# KiCad board Jumperless2.kicad_pcb (continued)
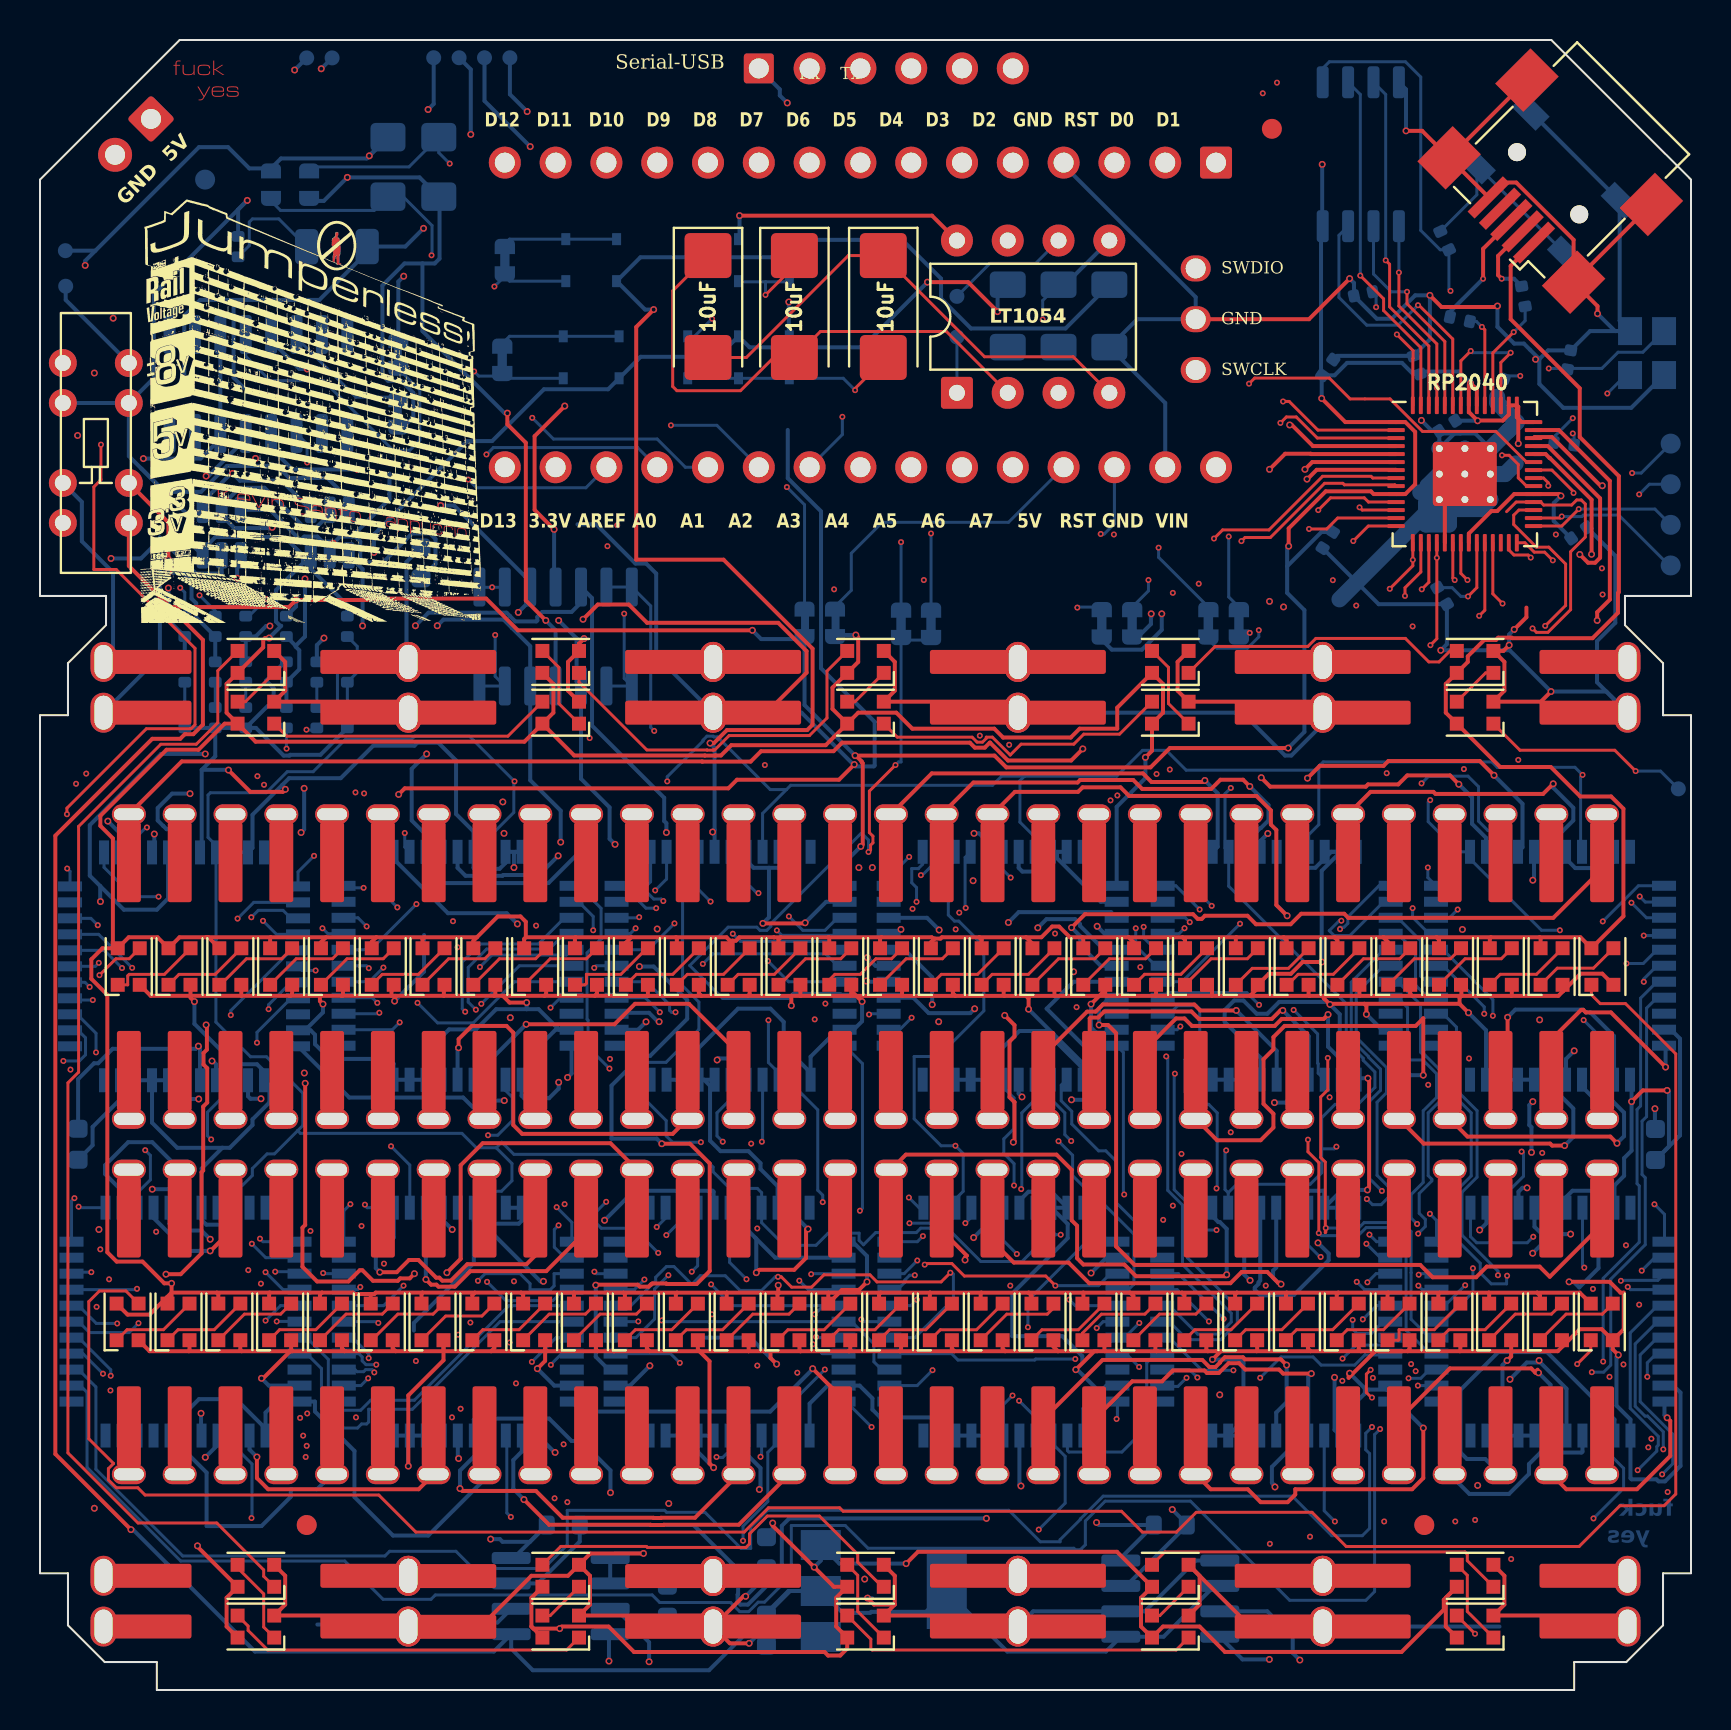
[diagram p0: board, top side]
## Footprints (pads in the part's own frame, mm; a bottom-side part is the same pattern mirrored in y, then rotated) (continued)
C_0402_1005Metric
  rrect 0.56x0.62 smd: 1(-0.48,0) 2(0.48,0)
C_0603_1608Metric
  rrect 0.9x0.95 smd: 1(-0.775,0) 2(0.775,0)
C_1206_3216Metric_Pad1.33x1.80mm_HandSolder
  rrect 1.325x1.8 smd: 1(-1.562,0) 2(1.562,0)
CP_EIA-6032-20_AVX-F_Pad2.25x2.35mm_HandSolder
  rrect 2.25x2.35 smd: 1(-2.55,0) 2(2.55,0)
Crystal_SMD_3225-4Pin_3.2x2.5mm
  rect 1.4x1.2 smd: 1(-1.1,-0.85) 2(1.1,-0.85) 3(1.1,0.85) 4(-1.1,0.85)
D_SOD-323
  rect 0.6x0.45 smd: 1(-1.05,0) 2(1.05,0)
DIP-8_W7.62mm
  rrect 1.6x1.6 hole 0.8: 1(0,0)
  oval 1.6x1.6 hole 0.8: 2(0,-2.54) 3(0,-5.08) 4(0,-7.62) 5(7.62,-7.62) 6(7.62,-5.08) 7(7.62,-2.54) 8(7.62,0)
Fiducial_1mm_Mask2mm
  round 1 smd: (0,0)
Fuse_1206_3216Metric_Pad1.42x1.75mm_HandSolder
  rrect 1.425x1.75 smd: 1(-1.488,0) 2(1.488,0)
LED_1206_REVERSEMOUNT_OVAL
  rrect 1.168x1.772 smd: 1(-1.549,0.028) 2(1.473,0.017)
LED_WS2812B-2020_PLCC4_2.0x2.0mm
  rect 0.7x0.7 smd: 1(-0.915,0.55) 2(-0.915,-0.55) 3(0.915,-0.55) 4(0.915,0.55)
LQFP44_Tight
  rect 1.2x0.5 smd: 1(-6.106,3.599) 2(-6.106,2.799) 3(-6.106,1.999) 4(-6.106,1.199) 5(-6.106,0.399) 6(-6.106,-0.401) 7(-6.106,-1.201) 8(-6.106,-2.001) 9(-6.106,-2.801) 10(-6.106,-3.601) 11(-6.106,-4.401) 23(5.294,-4.401) 24(5.294,-3.601) 25(5.294,-2.801) 26(5.294,-2.001) 27(5.294,-1.201) 28(5.294,-0.401) 29(5.294,0.399) 30(5.294,1.199) 31(5.294,1.999) 32(5.294,2.799) 33(5.294,3.599)
  rect 0.5x1.2 smd: 12(-4.406,-6.101) 13(-3.606,-6.101) 14(-2.806,-6.101) 15(-2.006,-6.101) 16(-1.206,-6.101) 17(-0.406,-6.101) 18(0.394,-6.101) 19(1.194,-6.101) 20(1.994,-6.101) 21(2.794,-6.101) 22(3.594,-6.101) 34(3.594,5.299) 35(2.794,5.299) 36(1.994,5.299) 37(1.194,5.299) 38(0.394,5.299) 39(-0.406,5.299) 40(-1.206,5.299) 41(-2.006,5.299) 42(-2.806,5.299) 43(-3.606,5.299) 44(-4.406,5.299)
PinHeader_1x02_P2.54mm_Vertical
  rrect 1.7x1.7 hole 1: 1(0,0)
  oval 1.7x1.7 hole 1: 2(0,-2.54)
PinHeader_1x03_P2.54mm_Vertical
  oval 1.5x1.3 hole 1: 1(0,0) 2(0,-2.54) 3(0,-5.08)
PinHeader_1x06_P2.54mm_Vertical
  rrect 1.5x1.5 hole 1: 1(0,0)
  oval 1.6x1.6 hole 1: 2(0,-2.54) 3(0,-5.08) 4(0,-7.62) 5(0,-10.16) 6(0,-12.7)
R_0402_1005Metric
  rrect 0.54x0.64 smd: 1(-0.51,0) 2(0.51,0)
R_0603_1608Metric
  rrect 0.8x0.95 smd: 1(-0.825,0) 2(0.825,0)
RP2040-QFN-56
  rrect 1.084x1.084 smd: (-0.637,0.637) (-0.637,-0.637) (0.637,0.637) (0.637,-0.637)
  rrect 0.875x0.2 smd: 1(-3.438,2.6) 2(-3.438,2.2) 3(-3.438,1.8) 4(-3.438,1.4) 5(-3.438,1) 6(-3.438,0.6) 7(-3.438,0.2) 8(-3.438,-0.2) 9(-3.438,-0.6) 10(-3.438,-1) 11(-3.438,-1.4) 12(-3.438,-1.8) 13(-3.438,-2.2) 14(-3.438,-2.6) 29(3.438,-2.6) 30(3.438,-2.2) 31(3.438,-1.8) 32(3.438,-1.4) 33(3.438,-1) 34(3.438,-0.6) 35(3.438,-0.2) 36(3.438,0.2) 37(3.438,0.6) 38(3.438,1) 39(3.438,1.4) 40(3.438,1.8) 41(3.438,2.2) 42(3.438,2.6)
  rrect 0.2x0.875 smd: 15(-2.6,-3.438) 16(-2.2,-3.438) 17(-1.8,-3.438) 18(-1.4,-3.438) 19(-1,-3.438) 20(-0.6,-3.438) 21(-0.2,-3.438) 22(0.2,-3.438) 23(0.6,-3.438) 24(1,-3.438) 25(1.4,-3.438) 26(1.8,-3.438) 27(2.2,-3.438) 28(2.6,-3.438) 43(2.6,3.438) 44(2.2,3.438) 45(1.8,3.438) 46(1.4,3.438) 47(1,3.438) 48(0.6,3.438) 49(0.2,3.438) 50(-0.2,3.438) 51(-0.6,3.438) 52(-1,3.438) 53(-1.4,3.438) 54(-1.8,3.438) 55(-2.2,3.438) 56(-2.6,3.438)
  round 0.6 hole 0.35: 57(-1.275,1.275) 57(-1.275,0) 57(-1.275,-1.275) 57(0,1.275) 57(0,0) 57(0,-1.275) 57(1.275,1.275) 57(1.275,0) 57(1.275,-1.275)
  rrect 3.2x3.2 smd: 57(0,0)
Slide_Switch_SSSS223600
  round 1.4 hole 0.8: 1(-1.65,0) 2(-1.65,-2) 3(-1.65,-6) 4(-1.65,-8) 5(1.65,0) 6(1.65,-2) 7(1.65,-6) 8(1.65,-8)
SOIC-8_3.9x4.9mm_P1.27mm
  rrect 1.95x0.6 smd: 1(-2.475,1.905) 2(-2.475,0.635) 3(-2.475,-0.635) 4(-2.475,-1.905) 5(2.475,-1.905) 6(2.475,-0.635) 7(2.475,0.635) 8(2.475,1.905)
SOIC-8_5.23x5.23mm_P1.27mm
  rrect 1.6x0.6 smd: 1(-3.6,1.905) 2(-3.6,0.635) 3(-3.6,-0.635) 4(-3.6,-1.905) 5(3.6,-1.905) 6(3.6,-0.635) 7(3.6,0.635) 8(3.6,1.905)
SOIC-14_3.9x8.7mm_P1.27mm
  rrect 1.95x0.6 smd: 1(-2.475,3.81) 2(-2.475,2.54) 3(-2.475,1.27) 4(-2.475,0) 5(-2.475,-1.27) 6(-2.475,-2.54) 7(-2.475,-3.81) 8(2.475,-3.81) 9(2.475,-2.54) 10(2.475,-1.27) 11(2.475,0) 12(2.475,1.27) 13(2.475,2.54) 14(2.475,3.81)
SOIC-16_3.9x9.9mm_P1.27mm
  rrect 1.95x0.6 smd: 1(-2.475,4.445) 2(-2.475,3.175) 3(-2.475,1.905) 4(-2.475,0.635) 5(-2.475,-0.635) 6(-2.475,-1.905) 7(-2.475,-3.175) 8(-2.475,-4.445) 9(2.475,-4.445) 10(2.475,-3.175) 11(2.475,-1.905) 12(2.475,-0.635) 13(2.475,0.635) 14(2.475,1.905) 15(2.475,3.175) 16(2.475,4.445)
SolderJumper_2_Bridged_Small
  custom 0.762x1.016 smd: 1(-0.813,0) 2(0.813,0)
SolderJumper_2_Bridged_Small#2
  custom 0.75x1 smd: 1(-0.813,-0.045) 2(0.813,-0.045)
SolderJumper_2_Open_Small
  custom 0.75x1 smd: 1(-0.813,-0.007) 2(0.813,-0.007)
SOT-23-6
  rrect 1.325x0.6 smd: 1(-1.137,0.95) 2(-1.137,0) 3(-1.137,-0.95) 4(1.137,-0.95) 5(1.137,0) 6(1.137,0.95)
SOT-223-3_TabPin2
  rect 2x1.5 smd: 1(-3.15,2.3) 2(-3.15,0) 3(-3.15,-2.3)
  rect 2x3.8 smd: 2(3.15,0)
SW_SPST_TL3342
  rect 1.7x1 smd: 1(-3.15,1.9) 1(3.15,1.9) 2(-3.15,-1.9) 2(3.15,-1.9)
TestPoint_D0.75mm
  round 0.75 smd: 1(0,0)
TestPoint_Pad_D1.0mm
  round 1 smd: 1(0,0)
USB_Mini-B_Wuerth_65100516121_Horizontal
  round 0.9 hole 0.9 unplated: (-2.2,0) (2.2,0)
  rect 0.5x2.5 smd: 1(-1.6,2.6) 2(-0.8,2.6) 3(0,2.6) 4(0.8,2.6) 5(1.6,2.6)
  rect 2x2.5 smd: 6(-4.4,2.6) 6(-4.4,-2.9) 6(4.4,2.6) 6(4.4,-2.9)

## Nets
+1V1: C9.1 C11.1 U9.23 U9.45 U9.50
+3V3: C8.1 C12.1 C18.1 C19.1 C20.1 C21.1 I1.1 J3.3 JP1.1 R14.1 SW2.4 SW2.8 U2.2 U4.5 U6.2 U6.5 U8.8 U9.1 U9.10 U9.22 U9.33 U9.42 U9.43 U9.44 U9.48 U9.49
+5V: C7.1 D1.4 D2.4 D3.4 D4.4 D5.4 D6.4 D7.4 D8.4 D9.4 D10.4 D11.4 D12.4 D13.4 D14.4 D15.4 D16.4 D17.4 D18.4 D19.4 D20.4 D21.4 D22.4 D23.4 D24.4 D25.4 D26.4 D27.4 D28.4 D29.4 D30.4 D31.4 D32.4 D33.4 D34.4 D35.4 D36.4 D37.4 D38.4 D39.4 D40.4 D41.4 D42.4 D43.4 D44.4 D45.4 D46.4 D47.4 D48.4 D49.4 D50.4 D51.4 D52.4 D53.4 D54.4 D55.4 D56.4 D57.4 D58.4 D59.4 D60.4 D62.2 D71.4 D72.4 D73.4 D74.4 D75.4 D76.4 D77.4 D78.4 D79.4 D80.4 D81.4 D82.4 D83.4 D84.4 D85.4 D86.4 D87.4 D88.4 D89.4 D90.4 J2.1 J5.1 J6.1 JP2.1 L1.1 R13.2 R24.2 SW2.2 SW2.6 U1.8 U2.3 U3.3 U5.3 U5.6
+8V: F1.2 JP5.2 JP11.1 SW2.1 TP14.1 U7.4
+9V: A2.38 B1.38 C1.1 C16.1 C26.38 D61.1 D63.2 D70.38 E1.38 F5.38 G1.38 H1.38 I1.38 J6.38 K1.38 L1.38
-8V: F4.1 JP6.1 JP12.2 SW2.5 TP13.1 U7.11
-9V: A2.16 B1.16 C6.2 C25.2 C26.16 D66.1 D67.2 D70.16 E1.16 F5.16 G1.16 H1.16 I1.16 J6.16 K1.16 L1.16
GND: A1.4 A1.29 A2.10 A2.12 A2.18 A2.19 A2.20 A2.21 A2.40 A2.42 A2.43 B1.10 B1.12 B1.18 B1.19 B1.20 B1.21 B1.40 B1.42 B1.43 C1.2 C4.1 C6.1 C7.2 C8.2 C9.2 C11.2 C12.2 C13.2 C14.2 C16.2 C18.2 C19.2 C20.2 C21.2 C22.1 C23.1 C25.1 C26.10 C26.12 C26.18 C26.19 C26.20 C26.21 C26.40 C26.42 C26.43 D1.2 D2.2 D3.2 D4.2 D5.2 D6.2 D7.2 D8.2 D9.2 D10.2 D11.2 D12.2 D13.2 D14.2 D15.2 D16.2 D17.2 D18.2 D19.2 D20.2 D21.2 D22.2 D23.2 D24.2 D25.2 D26.2 D27.2 D28.2 D29.2 D30.2 D31.2 D32.2 D33.2 D34.2 D35.2 D36.2 D37.2 D38.2 D39.2 D40.2 D41.2 D42.2 D43.2 D44.2 D45.2 D46.2 D47.2 D48.2 D49.2 D50.2 D51.2 D52.2 D53.2 D54.2 D55.2 D56.2 D57.2 D58.2 D59.2 D60.2 D68.1 D70.10 D70.12 D70.18 D70.19 D70.20 D70.21 D70.40 D70.42 D70.43 D71.2 D72.2 D73.2 D74.2 D75.2 D76.2 D77.2 D78.2 D79.2 D80.2 D81.2 D82.2 D83.2 D84.2 D85.2 D86.2 D87.2 D88.2 D89.2 D90.2 D91.1 E1.10 E1.12 E1.18 E1.19 E1.20 E1.21 E1.40 E1.42 E1.43 F5.10 F5.12 F5.18 F5.19 F5.20 F5.21 F5.40 F5.42 F5.43 G1.10 G1.12 G1.18 G1.19 G1.20 G1.21 G1.40 G1.42 G1.43 H1.10 H1.12 H1.18 H1.19 H1.20 H1.21 H1.40 H1.42 H1.43 I1.2 I1.10 I1.12 I1.18 I1.19 I1.20 I1.21 I1.40 I1.42 I1.43 J1.2 J2.2 J3.1 J4.0 J4.32 J5.5 J5.6 J6.2 J6.10 J6.12 J6.18 J6.19 J6.20 J6.21 J6.40 J6.42 J6.43 K1.10 K1.12 K1.18 K1.19 K1.20 K1.21 K1.40 K1.42 K1.43 L1.2 L1.10 L1.12 L1.18 L1.19 L1.20 L1.21 L1.40 L1.42 L1.43 R18.1 R19.2 R21.2 R22.2 R23.2 SW1.1 U1.3 U2.1 U3.2 U3.6 U4.1 U4.2 U4.6 U5.2 U6.1 U6.6 U8.4 U9.19 U9.57 Y1.2 Y1.4
VIN: A1.30
1: J4.1 L1.5
2: A2.35 J4.2
3: A2.37 J4.3
4: A2.39 J4.4
5: A2.17 J4.5
6: A2.15 J4.6
7: A2.13 J4.7
8: A2.11 J4.8
9: B1.35 J4.9
10: B1.37 J4.10
11: B1.39 J4.11
12: B1.17 J4.12
13: B1.15 J4.13
14: B1.13 J4.14
15: B1.11 J4.15
16: C26.35 J4.16
17: C26.37 J4.17
18: C26.39 J4.18
19: C26.17 J4.19
20: C26.15 J4.20
21: C26.13 J4.21
22: C26.11 J4.22
23: D70.35 J4.23
24: D70.37 J4.24
25: D70.39 J4.25
26: D70.17 J4.26
27: D70.15 J4.27
28: D70.13 J4.28
29: D70.11 J4.29
30: J4.30 L1.6
32: J4.33 L1.7
33: E1.35 J4.34
34: E1.37 J4.35
35: E1.39 J4.36
36: E1.17 J4.37
37: E1.15 J4.38
38: E1.13 J4.39
39: E1.11 J4.40
40: F5.35 J4.41
41: F5.37 J4.42
42: F5.39 J4.43
43: F5.17 J4.44
44: F5.15 J4.45
45: F5.13 J4.46
46: F5.11 J4.47
47: G1.35 J4.48
48: G1.37 J4.49
49: G1.39 J4.50
50: G1.17 J4.51
51: G1.15 J4.52
52: G1.13 J4.53
53: G1.11 J4.54
54: H1.35 J4.55
55: H1.37 J4.56
56: H1.39 J4.57
57: H1.17 J4.58
58: H1.15 J4.59
59: H1.13 J4.60
60: H1.11 J4.61
61: J4.62 L1.8
/AB0: A2.29 B1.31
/AB1: A2.28 B1.30
/AC0: A2.27 C26.31
/AC1: A2.26 C26.30
/AD0: A2.3 D70.31
/AD1: A2.4 D70.30
/AE0: A2.5 E1.31
/AF0: A2.7 F5.31
/AF1: A2.8 F5.30
/AG0: A2.25 G1.31
/AG1: A2.24 G1.30
/AH0: A2.1 H1.31
/AH1: A2.2 H1.30
/BC0: B1.27 C26.29
/BC1: B1.26 C26.28
/BD0: B1.3 D70.29
/BD1: B1.4 D70.28
/BE0: B1.5 E1.29
/BE1: B1.6 E1.28
/BF0: B1.7 F5.29
/BG0: B1.25 G1.29
/BG1: B1.24 G1.28
/BH0: B1.1 H1.29
/BH1: B1.2 H1.28
/CD0: C26.3 D70.27
/CD1: C26.4 D70.26
/CE0: C26.5 E1.27
/CE1: C26.6 E1.26
/CF0: C26.7 F5.27
/CF1: C26.8 F5.26
/CG0: C26.25 G1.27
/CH0: C26.1 H1.27
/CH1: C26.2 H1.26
/DE0: D70.5 E1.3
/DE1: D70.6 E1.4
/DF0: D70.7 F5.3
/DF1: D70.8 F5.4
/DG0: D70.25 G1.3
/DG1: D70.24 G1.4
/DH0: D70.1 H1.3
/EF0: E1.7 F5.5
/EF1: E1.8 F5.6
/EG0: E1.25 G1.5
/EG1: E1.24 G1.6
/EH0: E1.1 H1.5
/EH1: E1.2 H1.6
/FG0: F5.25 G1.7
/FG1: F5.24 G1.8
/FH0: F5.1 H1.7
/FH1: F5.2 H1.8
/GH0: G1.1 H1.25
/GH1: G1.2 H1.24
/QSPI_SCLK: U8.6 U9.52
/QSPI_SD0: U8.5 U9.53
/QSPI_SD1: U8.2 U9.55
/QSPI_SD2: U8.3 U9.54
/QSPI_SD3: U8.7 U9.51
/QSPI_SS: R5.1 U8.1 U9.56
/RUN: U9.26
/SWCLK: J1.1 U9.24
/SWD: J1.3 U9.25
/USB_D+: J5.3 R2.1
/USB_D-: J5.2 R3.1
/XIN: C13.1 U9.20 Y1.1
/XOUT: R12.1 U9.21
/~{USB_BOOT}: R5.2 SW1.2
A0: A1.19 I1.31 K1.31
A1: A1.20 J6.30 K1.30
A2: A1.21 I1.29 K1.29
A3: A1.22 J6.28 K1.28
A4: A1.23 I1.27 L1.25
A5: A1.24 J6.26 L1.24
A6: A1.25 I1.3
A7: A1.26 J6.4
ADC_BUFFERED_5V_0: R6.2 R7.1 U9.38
ADC_BUFFERED_5V_1: R8.2 R9.1 U9.39
ADC_BUFFERED_5V_2: R10.2 R11.1 U9.40
ADC_BUFFERED_+-8V_3: R14.2 R17.2 R19.1 U9.41
ADC_UNBUFFERED_5V_0: I1.24 L1.29 TP9.1 U7.3
ADC_UNBUFFERED_5V_1: J6.24 L1.28 TP10.1 U7.10
ADC_UNBUFFERED_5V_2: K1.2 L1.27 TP11.1 U7.12
ADC_UNBUFFERED_+-8V_3: L1.26 TP12.1 U7.5
AI: A2.31 I1.33
AJ: A2.30 J6.33
AK: A2.6 K1.33
AL: A2.33 L1.33
AREF: A1.18 J6.8
BI: B1.29 I1.35
BJ: B1.28 J6.35
BK: B1.8 K1.35
BL: B1.33 L1.35
BOTTOM_RAIL: C22.2 J4.63 SW2.7
CI: C26.27 I1.37
CJ: C26.26 J6.37
CK: C26.24 K1.37
CL: C26.33 L1.37
CLK: A2.34 B1.34 C26.34 D70.34 E1.34 F5.34 G1.34 H1.34 I1.34 J6.34 K1.34 L1.34 U9.18
CS_A: A2.14 U9.8
CS_B: B1.14 U9.9
CS_C: C26.14 U9.11
CS_D: D70.14 U9.12
CS_E: E1.14 U9.13
CS_F: F5.14 U9.14
CS_G: G1.14 U9.15
CS_H: H1.14 U9.16
CS_I: I1.14 U9.31
CS_J: J6.14 U9.32
CS_K: K1.14 U9.34
CS_L: L1.14 U9.35
CTS_UNCONNECTED: J3.2
CURR_SENSE+: L1.30 R1.1 U4.8
CURR_SENSE-: L1.31 R1.2 U4.7
CURR_SENSE_DAC+: R4.1 TP7.1 U6.8 U10.3 U10.14
CURR_SENSE_DAC-: I1.25 L1.4 R4.2 U6.7
D0: A1.2 J6.31 JP3.2
D1: A1.1 I1.30 JP7.2
D2: A1.5 J6.29 K1.27
D3: A1.6 I1.28 K1.26
D4: A1.7 J6.27 JP9.2 K1.3
D5: A1.8 I1.26 JP10.2 K1.4
D6: A1.9 J6.3 K1.5
D7: A1.10 I1.4 K1.6
D8: A1.11 J6.5 K1.7
D9: A1.12 I1.6 K1.8
D10: A1.13 J6.6 K1.25
D11: A1.14 I1.5 K1.24
D12: A1.15 J6.7 K1.1
D13: A1.16 I1.7
DAC_0_OUT: U3.1 U10.13
DAC_1_OUT: U5.1 U10.12
DAC_+-8V: J6.25 L1.3 R16.2 TP8.1 U10.5
DATA: A2.36 B1.36 C26.36 D70.36 E1.36 F5.36 G1.36 H1.36 I1.36 J6.36 K1.36 L1.36 U9.17
DI: D70.3 I1.39
DJ: D70.4 J6.39
DK: D70.2 K1.39
DL: D70.33 L1.39
DTR_UNCONNECTED: J3.6
EI: E1.5 I1.17
EJ: E1.6 J6.17
EK: E1.30 K1.17
EL: E1.33 L1.17
FI: F5.7 I1.15
FJ: F5.8 J6.15
FK: F5.28 K1.15
FL: F5.33 L1.15
GI: G1.25 I1.13
GJ: G1.24 J6.13
GK: G1.26 K1.13
GL: G1.33 L1.13
GPIO_16: TP1.1 U9.27
GPIO_17: TP2.1 U9.28
GPIO_18: TP3.1 U9.29
GPIO_19: TP4.1 U9.30
HI: H1.1 I1.11
HJ: H1.2 J6.11
HK: H1.4 K1.11
HL: H1.33 L1.11
I2C_SCL: U3.5 U4.4 U5.5 U6.4 U9.7
I2C_SCL_NANO: JP10.1 U9.4
I2C_SDA: U3.4 U4.3 U5.4 U6.3 U9.6
I2C_SDA_NANO: JP9.1 U9.5
LED_DATA_OUT: D1.3 U9.37
NANO_3V3: A1.17 JP1.2
NANO_5V: A1.27 JP2.2
NANO_~{RESET}: I1.8 JP13.1 JP14.1
NANO_~{RESET}_0: A1.28 JP13.2
NANO_~{RESET}_1: A1.3 JP14.2
RESET: A2.41 B1.41 C26.41 D70.41 E1.41 F5.41 G1.41 H1.41 I1.41 J6.41 K1.41 L1.41 U9.36
TOP_RAIL: C23.2 J4.31 SW2.3
UART_Rx: J3.5 JP3.1 U9.3
UART_Tx: J3.4 JP7.1 U9.2
Net-(C14-Pad1): C14.1 R12.2 Y1.3
Net-(D1-DOUT): D1.1 D2.3
Net-(D2-DOUT): D2.1 D3.3
Net-(D3-DOUT): D3.1 D4.3
Net-(D4-DOUT): D4.1 D5.3
Net-(D5-DOUT): D5.1 D6.3
Net-(D6-DOUT): D6.1 D7.3
Net-(D7-DOUT): D7.1 D8.3
Net-(D8-DOUT): D8.1 D9.3
Net-(D10-DIN): D9.1 D10.3
Net-(D10-DOUT): D10.1 D11.3
Net-(D11-DOUT): D11.1 D12.3
Net-(D12-DOUT): D12.1 D13.3
Net-(D13-DOUT): D13.1 D14.3
Net-(D14-DOUT): D14.1 D15.3
Net-(D15-DOUT): D15.1 D16.3
Net-(D16-DOUT): D16.1 D17.3
Net-(D17-DOUT): D17.1 D18.3
Net-(D18-DOUT): D18.1 D19.3
Net-(D19-DOUT): D19.1 D20.3
Net-(D20-DOUT): D20.1 D21.3
Net-(D21-DOUT): D21.1 D22.3
Net-(D22-DOUT): D22.1 D23.3
Net-(D23-DOUT): D23.1 D24.3
Net-(D24-DOUT): D24.1 D25.3
Net-(D25-DOUT): D25.1 D26.3
Net-(D26-DOUT): D26.1 D27.3
Net-(D27-DOUT): D27.1 D28.3
Net-(D28-DOUT): D28.1 D29.3
Net-(D29-DOUT): D29.1 D30.3
Net-(D30-DOUT): D30.1 D31.3
Net-(D31-DOUT): D31.1 D32.3
Net-(D32-DOUT): D32.1 D33.3
Net-(D33-DOUT): D33.1 D34.3
Net-(D34-DOUT): D34.1 D35.3
Net-(D35-DOUT): D35.1 D36.3
Net-(D36-DOUT): D36.1 D37.3
Net-(D37-DOUT): D37.1 D38.3
Net-(D38-DOUT): D38.1 D39.3
Net-(D39-DOUT): D39.1 D40.3
Net-(D40-DOUT): D40.1 D41.3
Net-(D41-DOUT): D41.1 D42.3
Net-(D42-DOUT): D42.1 D43.3
Net-(D43-DOUT): D43.1 D44.3
Net-(D44-DOUT): D44.1 D45.3
Net-(D45-DOUT): D45.1 D46.3
Net-(D46-DOUT): D46.1 D47.3
Net-(D47-DOUT): D47.1 D48.3
Net-(D48-DOUT): D48.1 D49.3
Net-(D49-DOUT): D49.1 D50.3
Net-(D50-DOUT): D50.1 D51.3
Net-(D51-DOUT): D51.1 D52.3
Net-(D52-DOUT): D52.1 D53.3
Net-(D53-DOUT): D53.1 D54.3
Net-(D54-DOUT): D54.1 D55.3
Net-(D55-DOUT): D55.1 D56.3
Net-(D56-DOUT): D56.1 D57.3
Net-(D57-DOUT): D57.1 D58.3
Net-(D58-DOUT): D58.1 D59.3
Net-(D59-DOUT): D59.1 D60.3
Net-(D60-DOUT): D60.1 D71.3
Net-(D61-A): C2.1 D61.2 D62.1
Net-(D63-K): D63.1 D64.2 JP4.1
Net-(D64-K): D64.1 F1.1 JP4.2 JP5.1
Net-(D65-A): C5.2 D65.2 D67.1 D68.2
Net-(D65-K): C4.2 D65.1 U1.5
Net-(D66-A): D66.2 D69.1 JP8.2
Net-(D69-A): D69.2 F4.2 JP6.2 JP8.1
Net-(D71-DOUT): D71.1 D72.3
Net-(D72-DOUT): D72.1 D73.3
Net-(D73-DOUT): D73.1 D74.3
Net-(D74-DOUT): D74.1 D75.3
Net-(D75-DOUT): D75.1 D76.3
Net-(D76-DOUT): D76.1 D77.3
Net-(D77-DOUT): D77.1 D78.3
Net-(D78-DOUT): D78.1 D79.3
Net-(D79-DOUT): D79.1 D80.3
Net-(D80-DOUT): D80.1 D81.3
Net-(D81-DOUT): D81.1 D82.3
Net-(D82-DOUT): D82.1 D83.3
Net-(D83-DOUT): D83.1 D84.3
Net-(D84-DOUT): D84.1 D85.3
Net-(D85-DOUT): D85.1 D86.3
Net-(D86-DOUT): D86.1 D87.3
Net-(D87-DOUT): D87.1 D88.3
Net-(D88-DOUT): D88.1 D89.3
Net-(D89-DOUT): D89.1 D90.3
Net-(D90-DOUT): D90.1 TP15.1
Net-(D91-A): D91.2 R24.1
Net-(JP11-B): JP11.2 U10.4
Net-(JP12-A): JP12.1 U10.6
Net-(R11-Pad2): R11.2 R23.1
Net-(R13-Pad1): R13.1 R15.1 R18.2
Net-(R16-Pad1): R16.1 R20.2
Net-(R21-Pad1): R7.2 R21.1
Net-(R22-Pad1): R9.2 R22.1
Net-(U1-CAP+): C2.2 C3.1 U1.2
Net-(U1-CAP-): C3.2 C5.1 U1.4
Net-(U1-FB/SHDN): TP5.1 U1.1
Net-(U1-VREF): TP6.1 U1.6
Net-(U7A--): R6.1 U7.1 U7.2
Net-(U7B--): R17.1 U7.6 U7.7
Net-(U7C--): R8.1 U7.8 U7.9
Net-(U7D--): R10.1 U7.13 U7.14
Net-(U9-USB_DM): R3.2 U9.46
Net-(U9-USB_DP): R2.2 U9.47
Net-(U10B--): R15.2 R20.1 U10.11

Pads without a net: A2 9 22 23 32 44; B1 9 22 23 32 44; C26 9 22 23 32 44; D70 9 22 23 32 44; E1 9 22 23 32 44; F5 9 22 23 32 44; G1 9 22 23 32 44; H1 9 22 23 32 44; I1 9 22 23 32 44; J5 4; J6 9 22 23 32 44; K1 9 22 23 32 44; L1 9 22 23 32 44; U1 7; U10 1 2 7 8 9 10 15 16

## Via types
v1: diameter 0.3, hole 0.15, Top to Bottom, 442 vias
v2: diameter 0.35, hole 0.2, Top to Bottom, 278 vias

## Routing (per net, layer and track width the routed paths; a pad name or vN(x,y) marks a point on that pad's centre or on a via; arc(x,y) is an arc through that point)
+1V1: length 32.2
  Top w0.15: U9.23 71.84,55.15 v1(71.4,54.71) ; v1(71.54,66.99) 71.04,66.5 U9.50 ; v1(73.53,66.9) 73.04,66.41 U9.45
  In1.Cu w0.15: v1(71.54,66.99) 67.83,66.99 66.81,68.02 v1(66.81,69.18)
  In2.Cu w0.15: v1(71.54,66.99) 71.04,66.5 71.04,63.05 71.78,62.31 71.78,55.09 v1(71.4,54.71)
  Bottom w0.15: v1(71.4,54.71) 71.04,54.71 70.6,55.15 C11.1 ; v1(73.53,66.9) 71.62,66.9 v1(71.54,66.99) ; 66.81,69.78 v1(66.81,69.18)
+3V3: length 294.4
  Top w0.2: U9.43 73.91,64.2 v2(73.91,62.36) ; U9.43 U9.44 73.44,63.81 73.14,63.51 71.89,63.51 v2(71.88,63.5) 71.44,63.94 ; U9.43 73.84,63.67 74.08,63.43 U9.42 ; v2(35.62,53.02) 23.89,53.02 22.31,54.6 16.42,54.6 16.35,54.53 v2(12.8,54.53) 12.83,54.53 12.83,54.56 12.45,54.18 6.5,54.18 ; SW2.8 4.44,56.24 6.5,54.18 ; U9.22 71.44,57.86 72.57,58.98 72.86,58.98 73.71,59.83 U9.33 75.96,59.83 v2(76.05,59.74) ; v2(41.04,42.2) 41.14,42.3 41.14,46.37 41.09,46.42 41.09,46.46 40.87,46.68 40.83,46.68 v2(40.75,46.75) 47.73,46.75 48.32,46.16 55.53,46.16 56.49,47.12 v2(62.41,47.12) ; 6.5,54.18 8.15,52.53 8.15,48.3 7.66,47.82 7.24,47.82 7.01,47.59 5.62,47.59 0.77,42.74 0.77,11.81 v2(4.55,8.03) ; v2(62.43,57.23) 62.43,58.12 64.29,59.97 66.55,59.97 66.68,59.83 U9.10 68.27,59.83 68.76,60.32 68.76,62.94 68.27,63.43 U9.1 65.27,63.43 v2(64.08,64.62) ; U9.48 71.84,65.06 v2(71.53,65.38) 71.44,65.3 U9.49
  In1.Cu w0.2: v2(64.11,76.33) 61.72,78.71 43.43,78.71 J3.3 ; SW2.8 SW2.4
  In2.Cu w0.2: v2(76.05,59.74) 76.05,60.22 v2(73.91,62.36)
  Bottom w0.2: v2(71.53,65.38) 70.94,65.96 69.12,65.96 ; v2(76.05,59.74) 75.69,59.38 75.69,58.49 C21.1 ; 62.36,56.22 62.36,57.15 v2(62.43,57.23) ; 62.36,56.22 64.08,57.94 C18.1 ; 62.36,56.22 62.36,54.89 63.22,54.03 63.22,47.94 v2(62.41,47.12) ; I1.1 40.23,41.39 v2(41.04,42.2) ; C19.1 68.65,65.84 68.1,66.4 65.35,66.4 64.73,65.77 C12.1 ; v2(40.75,46.75) 38.23,49.28 JP1.1 36.06,52.58 v2(35.62,53.02) ; v2(64.08,64.62) 64.08,65.74 ; R14.1 12.8,54.21 v2(12.8,54.53) ; U2.2 37.5,4.95 C8.1 ; U2.2 40.13,3.86 41.51,3.86 41.56,3.91 44.3,3.91 U2.2 48.37,1.92 53.3,1.92 U6.5 56.18,2.67 58.72,5.21 ; U2.2 37.42,4.95 33.45,0.99 24.64,0.99 23.56,2.07 U4.5 22.69,1.92 10.75,1.92 4.65,8.03 v2(4.55,8.03) ; v2(64.11,76.33) 64.11,73.26 ; C20.1 71.88,63.5 v2(71.88,63.5) ; 64.05,73.15 64.05,65.84
+5V: length 560.6
  Top w0.2: D82.4 9.23,48.34 7.92,47.04 6.32,47.04 3.02,43.73 3.02,43.23 3.65,42.61 3.65,37.35 D1.4 ; D82.4 10.78,47.45 24.22,47.45 D83.4 ; D82.4 9.33,48.89 9.33,50.33 D81.4 11.16,52.16 11.16,52.53 11.25,52.63 v2(11.46,52.63) ; 14.3,37.66 16.81,37.66 ; 14.3,37.66 14.05,37.41 D5.4 ; 14.3,37.66 11.53,37.66 ; 16.81,37.66 19.23,37.66 ; 16.81,37.66 16.59,37.43 D6.4 ; 59.82,37.66 62.18,37.66 ; 59.82,37.66 57.12,37.66 ; 59.82,37.66 59.79,37.63 D23.4 ; 62.18,37.66 62.33,37.51 D24.4 ; 62.18,37.66 64.72,37.66 ; 52.12,37.66 52.16,37.62 D20.4 ; 52.12,37.66 54.43,37.66 ; 52.12,37.66 51.49,37.66 50.96,38.19 50.61,38.19 50.07,37.66 49.3,37.66 ; 64.92,19.88 62.33,19.88 ; 64.92,19.88 64.84,19.8 D55.4 ; 64.92,19.88 67.41,19.88 ; 62.33,19.88 59.84,19.88 ; 62.33,19.88 62.3,19.85 D54.4 ; 26.77,37.66 29.57,37.66 ; 26.77,37.66 24.29,37.66 ; 26.77,37.66 26.75,37.63 D10.4 ; 29.57,37.66 29.3,37.39 D11.4 ; 29.57,37.66 31.8,37.66 ; v2(43.31,6.32) 43.9,6.91 53.85,6.91 D73.4 55.05,4.61 55.05,3.17 D74.4 56.15,3.17 57.98,3.17 59.25,1.91 68.08,1.91 70.19,4.02 70.19,4.51 70.84,5.16 70.29,4.61 70.29,3.17 70.84,2.62 ; 49.43,19.88 47.07,19.88 ; 49.43,19.88 52.17,19.88 ; 49.43,19.88 49.57,19.74 D49.4 ; 47.07,19.88 44.5,19.88 ; 47.07,19.88 47.03,19.85 D48.4 ; 72.44,19.88 72.46,19.86 D58.4 ; 72.44,19.88 69.98,19.88 ; 72.44,19.88 74.85,19.88 ; 52.17,19.88 52.17,19.38 D50.4 ; 52.17,19.88 54.51,19.88 ; 31.85,19.88 31.79,19.82 D42.4 ; 31.85,19.88 34.34,19.88 ; 31.85,19.88 29.18,19.88 ; 72.54,37.66 72.49,37.61 D28.4 ; 72.54,37.66 74.98,37.66 ; 72.54,37.66 69.82,37.66 ; 34.34,19.88 34.33,19.87 D43.4 ; 34.34,19.88 36.96,19.88 ; D36.4 16.54,19.79 16.51,19.81 ; 29.18,19.88 28.35,19.88 26.7,19.88 ; 29.18,19.88 29.24,19.82 D41.4 ; 37.03,37.66 39.45,37.66 ; 37.03,37.66 37.03,37.66 36.7,37.66 36.69,37.66 34.97,37.66 34.79,37.49 34.62,37.49 ; 37.03,37.66 36.92,37.55 D14.4 ; 39.45,37.66 42.06,37.66 ; 39.45,37.66 39.46,37.64 D15.4 ; D4.4 11.51,37.63 11.53,37.66 ; 74.85,19.88 76.99,19.88 D60.4 ; 74.85,19.88 75,19.74 D59.4 ; D26.4 67.41,37.41 67.16,37.66 ; 14.1,19.88 14,19.78 D35.4 ; 14.1,19.88 11.48,19.88 ; 14.1,19.88 15.65,19.88 15.72,19.81 16.51,19.81 ; D84.4 25.67,50.33 25.67,48.89 D83.4 ; 44.73,37.59 44.54,37.41 D17.4 ; 44.73,37.59 44.65,37.59 44.59,37.66 42.06,37.66 ; 44.73,37.59 45.03,37.59 45.09,37.66 46.96,37.66 ; 46.96,37.66 47.08,37.54 D18.4 ; 46.96,37.66 49.3,37.66 ; 69.98,19.88 69.92,19.82 D57.4 ; 69.98,19.88 67.41,19.88 ; D19.4 49.62,37.34 49.3,37.66 ; 21.74,19.88 19.13,19.88 ; 21.74,19.88 21.62,19.76 D38.4 ; 21.74,19.88 24.05,19.88 ; 19.13,19.88 19.08,19.83 D37.4 ; 19.13,19.88 16.78,19.88 16.71,19.81 16.51,19.81 ; 26.7,19.88 24.05,19.88 ; 26.7,19.88 26.7,19.88 D40.4 ; 24.05,19.88 24.16,19.78 D39.4 ; 6.19,19.49 5.48,18.78 4.38,18.78 D31.4 ; 6.19,19.49 6.34,19.64 ; 6.19,19.49 6.35,19.33 D32.4 ; 42.04,19.88 41.95,19.8 D46.4 ; 42.04,19.88 39.42,19.88 ; 42.04,19.88 44.5,19.88 ; U1.8 44.6,73.76 v2(34.98,73.76) ; D16.4 42,37.6 42.06,37.66 ; D44.4 36.87,19.8 36.96,19.88 ; 24.57,3.17 D78.4 ; 24.57,3.17 24.67,3.07 v2(25.98,3.07) 26.09,3.17 28.43,3.17 29.7,1.9 39.23,1.9 39.41,1.72 40.01,1.72 40.36,2.07 D75.4 39.81,3.17 39.81,4.61 D76.4 39.69,5.16 v2(38.71,6.15) 36.63,8.22 v2(36.63,8.35) ; 24.57,3.17 24.57,4.61 D77.4 ; D25.4 64.87,37.51 64.72,37.66 ; D1.4 3.12,37.11 2.57,36.55 2.57,35.58 3.37,34.78 3.37,21.9 3.83,21.44 5.13,21.44 6.22,20.35 v2(6.58,20.35) 6.58,19.53 D32.4 ; D1.4 4.44,37.66 5.88,37.66 D2.4 6.98,37.66 8.31,37.66 ; 54.43,37.66 54.7,37.39 D21.4 ; 54.43,37.66 57.12,37.66 ; 44.5,19.88 44.49,19.87 D47.4 ; 59.84,19.88 57.1,19.88 ; 59.84,19.88 59.76,19.8 D53.4 ; 57.1,19.88 54.51,19.88 ; 57.1,19.88 57.22,19.76 D52.4 ; 19.23,37.66 19.13,37.56 D7.4 ; 19.23,37.66 21.84,37.66 ; v2(40.79,52.78) 40.91,52.66 40.91,51.44 D85.4 39.62,50.15 39.62,49.08 D86.4 ; 36.96,19.88 39.42,19.88 ; 36.96,19.88 36.91,19.93 v2(36.91,20.25) ; 34.62,37.49 34.38,37.25 D13.4 ; 34.62,37.49 34.5,37.49 34.32,37.66 31.8,37.66 ; 11.53,37.66 8.31,37.66 ; 57.12,37.66 57.25,37.53 D22.4 ; D34.4 11.46,19.86 11.48,19.88 ; 8.31,37.66 8.42,37.66 D3.4 ; 8.84,19.88 8.92,19.8 D33.4 ; 8.84,19.88 6.58,19.88 6.34,19.64 ; 8.84,19.88 11.48,19.88 ; 21.84,37.66 21.67,37.48 D8.4 ; 21.84,37.66 22.89,38.7 24.02,38.7 24.29,38.43 24.29,37.66 ; 64.72,37.66 67.16,37.66 ; 67.16,37.66 69.82,37.66 ; D56.4 67.38,19.85 67.41,19.88 ; D32.4 6.38,19.61 6.34,19.64 ; D27.4 69.95,37.53 69.82,37.66 ; 54.51,19.88 54.67,19.72 D51.4 ; 39.42,19.88 39.41,19.87 D45.4 40.1,20.02 40.94,20.02 v2(41.35,20.42) ; D29.4 75.03,37.61 74.98,37.66 ; D86.4 39.28,47.27 34.56,47.27 34.05,46.76 33.77,46.76 33.76,46.75 33.24,46.75 33.23,46.76 26.71,46.76 D83.4 ; D86.4 40.91,48.89 42.82,48.89 43.62,48.09 47.71,48.09 48.16,47.65 51.54,47.65 51.98,48.09 53.86,48.09 53.86,49.15 D88.4 56.15,50.33 56.15,48.89 D87.4 55.6,46.99 v2(55.27,46.66) ; D79.4 9.33,3.17 9.33,4.62 D80.4 7.87,7.17 v2(7.87,7.21) ; 24.29,37.66 24.21,37.58 D9.4 ; 74.98,37.66 77.02,37.66 D30.4 79.17,38.71 79.17,44.09 78.56,44.7 77.01,44.7 75.54,46.18 73.01,46.18 70.29,48.89 70.29,50.33 71.39,51.44 71.39,51.71 72.21,52.53 72.8,52.53 72.91,52.65 73.59,52.65 73.61,52.62 77.63,52.62 78.9,53.89 78.9,54.88 78.94,54.93 78.94,60.73 76.99,62.69 76.99,65.13 73.53,68.58 73.53,71.25 J5.1 ; D12.4 31.84,37.62 31.8,37.66
  In1.Cu w0.2: v2(34.98,73.76) 20.78,73.76 17.07,77.47 13.31,77.47 v2(10.36,74.52) 9.09,74.52 5.55,78.07
  In2.Cu w0.2: v2(36.91,20.25) 36.42,19.75 36.42,8.57 v2(36.63,8.35) ; v2(7.87,7.21) 5.94,9.15 5.94,19.7 v2(6.58,20.35)
  Bottom w0.2: SW2.6 SW2.2 ; SW2.6 4.44,61.73 5.07,61.1 ; SW2.6 5.69,65.64 5.69,69.85 v2(10.36,74.52) 9.91,74.07 R24.2 ; v2(36.63,8.35) 36.63,7.96 C7.1 ; v2(38.71,6.15) 39.04,6.48 U2.3 39.97,6.32 v2(43.31,6.32) ; R13.2 15.37,54.27 13.15,56.49 13.15,56.64 ; 13.15,56.64 13.41,56.64 U5.3 11.8,55.03 11.8,53.45 12.01,53.24 12.06,53.24 11.46,52.64 v2(11.46,52.63) ; 13.15,56.64 13.15,56.77 12.23,57.68 8.77,57.68 8.13,57.05 ; U3.3 7.58,57.32 7.58,58.59 5.07,61.1 ; U5.6 15.44,59.57 14.37,60.64 12.47,60.64 11.86,61.24 9.35,61.24 8.05,59.94 6.23,59.94 5.07,61.1 ; v2(41.35,20.42) 41.35,21.71 40.63,22.43 J6.1 ; JP2.1 39.95,52.78 v2(40.79,52.78) ; v2(34.98,73.76) 34.98,72.64 ; L1.1 53.83,44.18 55.27,45.62 v2(55.27,46.66)
+8V: length 58.2
  Top w0.2: v2(25.7,58.06) 24.73,59.04 24.73,62.73 v2(26.24,64.24)
  In1.Cu w0.2: v2(16.46,76.75) 16.01,76.3 16.01,72.91 v2(18.19,70.73) 19.74,70.73 v2(26.24,64.24) ; SW2.1 2.26,67.51 v2(2.26,71.27)
  Bottom w0.2: v2(18.19,70.73) 17.92,70.46 JP11.1 ; v2(25.7,58.06) 25.7,55.26 ; 17.16,77.93 17.16,77.45 v2(16.46,76.75) ; 2.77,72.01 TP14.1 ; 2.77,72.01 2.26,71.5 v2(2.26,71.27) ; 2.77,72.01 7.95,77.19 9.4,77.19 10.47,76.12 JP5.2 12.05,76.62 16.34,76.62 F1.2
+9V: length 316.8
  Top w0.2: v2(33.5,47.37) 33.69,47.37 34.35,48.03 38.36,48.03 38.63,48.29 38.63,52.1 34.18,56.55 29.81,56.55 29.81,68.19 v2(30.68,69.06)
  In1.Cu w0.2: 61.54,42.98 47.55,42.98 ; 61.54,42.98 65.48,42.98 66.91,41.55 69.58,41.55 70.61,40.51 v2(74.64,40.51) ; 61.54,42.98 61.52,42.98 v2(61.39,42.85) ; 47.55,42.98 47.09,42.98 46.86,42.75 46.81,42.75 v2(46.7,42.86) ; 47.55,42.98 40.58,42.98 40.53,42.93 v2(33.63,42.93) ; 74.22,21.82 78.3,21.82 80.38,23.9 80.9,23.9 81.23,24.23 81.23,28.6 v2(80.75,29.08) 80.75,31.57 77.35,34.97 76.42,34.97 v2(74.98,33.53) ; 74.22,21.82 74.6,21.82 v2(74.63,21.85) ; 74.22,21.82 71.3,21.82 71.07,21.59 68.72,21.59 68.68,21.63 64.56,21.63 64.47,21.72 64.47,22.07 64.22,22.32 63.78,22.32 ; 63.78,22.32 63.48,22.32 63.44,22.36 58.09,22.36 57.71,22.73 56.03,22.73 55.45,23.32 55.35,23.32 55.35,23.32 53.39,23.32 53.39,23.32 46.81,23.32 46.27,22.77 ; 63.78,22.32 63.83,22.37 v2(63.9,22.37) ; 28.22,23.24 27.41,23.24 27.07,23.58 26.5,23.58 26.43,23.65 20.5,23.65 ; 28.22,23.24 28.23,23.25 v2(28.23,23.5) ; 28.22,23.24 29.82,23.24 30.14,23.56 40.21,23.56 40.82,22.96 43.83,22.96 44.09,23.22 45.85,23.22 46.27,22.8 46.27,22.77 ; 46.27,22.77 46.55,22.77 v2(46.68,22.63) ; 20.5,23.65 20.61,23.54 v2(20.61,23.04) ; 20.5,23.65 15.94,23.65 15.91,23.61 9.36,23.61 8.04,22.29 5.27,22.29 4.52,23.04 v2(2.95,23.04) ; v2(33.5,47.37) 33.19,47.06 19.56,47.06 v2(19.33,46.83) 19.25,46.75 12.18,46.75 12.15,46.78 8.33,46.78 8.28,46.83 v2(8.26,46.83)
  In2.Cu w0.2: v2(74.64,40.51) 74.64,33.87 v2(74.98,33.53) ; v2(2.95,23.04) 2.95,24.13 2.39,24.69 2.39,30.73 3.2,31.55 3.2,35.03 2.49,35.74 2.49,38.51 2.71,38.73 2.71,39.13 v2(3.02,39.45)
  Bottom w0.2: 33.73,43.03 33.63,42.93 v2(33.63,42.93) ; 33.73,43.03 I1.38 ; 33.73,43.03 33.73,47.14 v2(33.5,47.37) ; v2(63.9,22.37) 64.43,21.84 64.43,21.5 62.69,19.76 61.47,19.76 61.45,19.74 61.12,19.74 61.11,19.76 61,19.76 60.74,20.03 60.74,20.13 60.93,20.32 60.93,20.4 61.01,20.48 G1.38 ; C1.1 51.28,68.12 46.55,68.12 45.05,69.61 45.05,70.61 43.11,72.55 D61.1 36.59,71.68 30.02,71.68 D63.2 30.25,69.06 v2(30.68,69.06) ; F5.38 20.09,23.56 v2(20.61,23.04) ; v2(80.75,29.08) 80.75,28.09 ; B1.38 20.08,42.28 19.58,42.78 19.3,42.78 18.59,43.5 18.59,46.09 v2(19.33,46.83) ; v2(61.39,42.85) 61.03,42.49 C26.38 ; 3.01,40.22 3.01,39.46 v2(3.02,39.45) ; 3.01,40.22 2.49,40.74 2.49,43.27 6.05,46.83 v2(8.26,46.83) ; 3.01,40.22 4.19,39.04 5.84,39.04 6.4,39.6 A2.38 ; v2(46.7,42.86) 46.96,42.86 47.33,42.48 L1.38 ; E1.38 6.48,23.33 6.82,22.99 8.07,22.99 v2(8.51,22.55) ; v2(74.63,21.85) 75.06,22.28 75.06,22.84 74.72,23.18 H1.38 ; J6.38 33.68,24.93 33.63,24.98 29.71,24.98 v2(28.23,23.5) ; v2(46.68,22.63) 47.37,23.32 K1.38 ; D70.38 74.7,40.57 v2(74.64,40.51)
-8V: length 66.3
  Top w0.2: v2(25.29,53.51) 24.29,54.51 24.29,62.4 23.37,63.32 v2(23.37,63.88)
  In1.Cu w0.2: SW2.5 6.08,66.39 v2(15.37,75.67)
  Bottom w0.2: 19.12,71.37 19.73,71.37 19.98,71.61 19.98,74.68 ; 19.12,71.37 18.22,71.37 17.12,70.27 17.12,65.78 17.4,65.5 18.06,65.5 18.67,64.89 18.67,63.69 18.03,63.05 ; 19.12,71.37 19.12,67.99 23.23,63.88 v2(23.37,63.88) ; F4.1 18.98,75.67 v2(15.37,75.67) 14.19,74.5 JP6.1 ; U7.11 25.78,53.02 v2(25.29,53.51) ; TP13.1 1.29,69.55 SW2.5
-9V: length 298
  Top w0.2: v2(47.88,68.96) 46.41,70.43 v2(44.37,70.43)
  In1.Cu w0.2: 61.8,29.85 61.8,29.46 v2(61.72,29.39) ; 61.8,29.85 64.11,29.85 64.33,30.07 68.55,30.07 68.78,29.84 74.4,29.84 74.4,29.68 v2(74.64,29.44) 76.71,31.51 v2(76.71,31.98) ; 61.8,29.85 52.55,29.85 51.76,29.06 51.21,29.06 50.24,30.04 49.3,30.04 ; 48.89,9.75 48.61,10.04 48.41,10.04 48.38,10.07 48.31,10.07 48.29,10.04 46.96,10.04 46.94,10.07 45.77,10.07 45.75,10.04 44.42,10.04 44.4,10.07 43.23,10.07 43.21,10.04 35.95,10.04 35.66,9.75 ; 48.89,9.75 48.89,10.06 v2(49.05,10.21) ; 48.89,9.75 49.02,9.88 61.57,9.88 61.7,9.75 ; 61.7,9.75 63.8,9.75 64.1,10.04 71.69,10.04 v2(71.88,10.24) ; 61.7,9.75 61.75,9.8 v2(61.75,10.16) ; v2(49.1,29.67) 49.1,29.84 49.3,30.04 ; 28.3,9.75 26.87,9.75 26.58,10.04 24.11,10.04 23.67,9.6 8.71,9.6 8.23,10.08 8.23,11.07 7.8,11.51 7.8,13.59 v2(8.05,13.84) ; 28.3,9.75 28.58,10.04 31.12,10.04 31.14,10.05 31.74,10.05 32.04,9.75 35.66,9.75 ; 28.3,9.75 28.4,9.75 v2(28.52,9.87) ; 49.3,30.04 49.3,30.05 35.6,30.05 34.13,31.52 v2(33.86,31.52) 33.86,31.45 32.81,30.4 29.43,30.4 29.15,30.12 27.67,30.12 26.71,31.07 26.2,31.07 25.96,30.83 24.55,30.83 v2(23.22,29.49) 21.84,30.87 13.03,30.87 ; 13.03,30.87 v2(13.22,30.87) ; 13.03,30.87 9.7,30.87 9.02,31.54 9.02,31.65 8.78,31.89 8.54,31.89 8.23,32.21 v2(7.92,32.21) ; v2(35.97,10.03) 35.69,9.75 35.66,9.75
  In2.Cu w0.2: v2(8.05,13.84) 8.05,22.69 8.09,22.73 8.09,28.77 8.36,29.04 8.36,29.74 7.92,30.18 v2(7.92,32.21) ; v2(71.88,10.24) 71.92,10.28 71.92,13.97 v2(73.5,15.54) ; v2(13.22,30.87) 12.95,31.13 12.95,42.06 13.51,42.61 13.51,44.3 16.7,47.5 v2(16.7,56.91) ; v2(74.96,16.48) 74.96,20.9 73.91,21.95 73.91,24 74.78,24.87 74.78,25.35 74.47,25.66 74.47,26.64 74.55,26.72 74.55,26.87 v2(74.57,26.9)
  Bottom w0.2: D70.16 76.3,31.57 v2(76.71,31.98) ; H1.16 76.32,15.07 74.96,16.44 v2(74.96,16.48) ; I1.16 35.33,31.33 35.06,31.6 33.93,31.6 v2(33.86,31.52) ; v2(74.64,29.44) 74.47,29.26 74.47,28.26 74.57,28.15 v2(74.57,26.9) ; v2(47.88,68.96) 47.88,69.8 ; v2(28.52,9.87) 28.52,10.99 27.05,12.46 26.58,12.46 25.46,13.58 21.74,13.58 21.69,13.53 F5.16 ; v2(16.7,56.91) 16.7,57.81 21.37,62.48 22.61,62.48 25.2,65.07 28.41,65.07 D66.1 30.03,66.7 33.9,66.7 D67.2 35.47,67.17 41.11,67.17 v2(44.37,70.43) ; C25.2 1.91,30.56 2.7,31.36 2.91,31.36 3.63,32.08 7.79,32.08 v2(7.92,32.21) 8,32.13 A2.16 ; C26.16 62.63,29.74 62.29,29.39 v2(61.72,29.39) ; 75.02,16.38 74.34,16.38 v2(73.5,15.54) ; B1.16 21.68,29.98 22.17,29.49 v2(23.22,29.49) ; J6.16 35.28,11.85 36.03,11.11 36.03,10.09 v2(35.97,10.03) ; G1.16 62.61,12.18 61.59,11.16 61.59,10.36 61.67,10.29 61.67,10.26 61.75,10.19 v2(61.75,10.16) ; v2(8.05,13.84) 8.05,12.76 ; K1.16 48.97,10.28 v2(49.05,10.21) ; L1.16 48.93,29.84 v2(49.1,29.67)
